# KiCad board ae89fa26-SparkFun_Thing_Plus_ESP32-S3_panelized.kicad_pcb (continued)
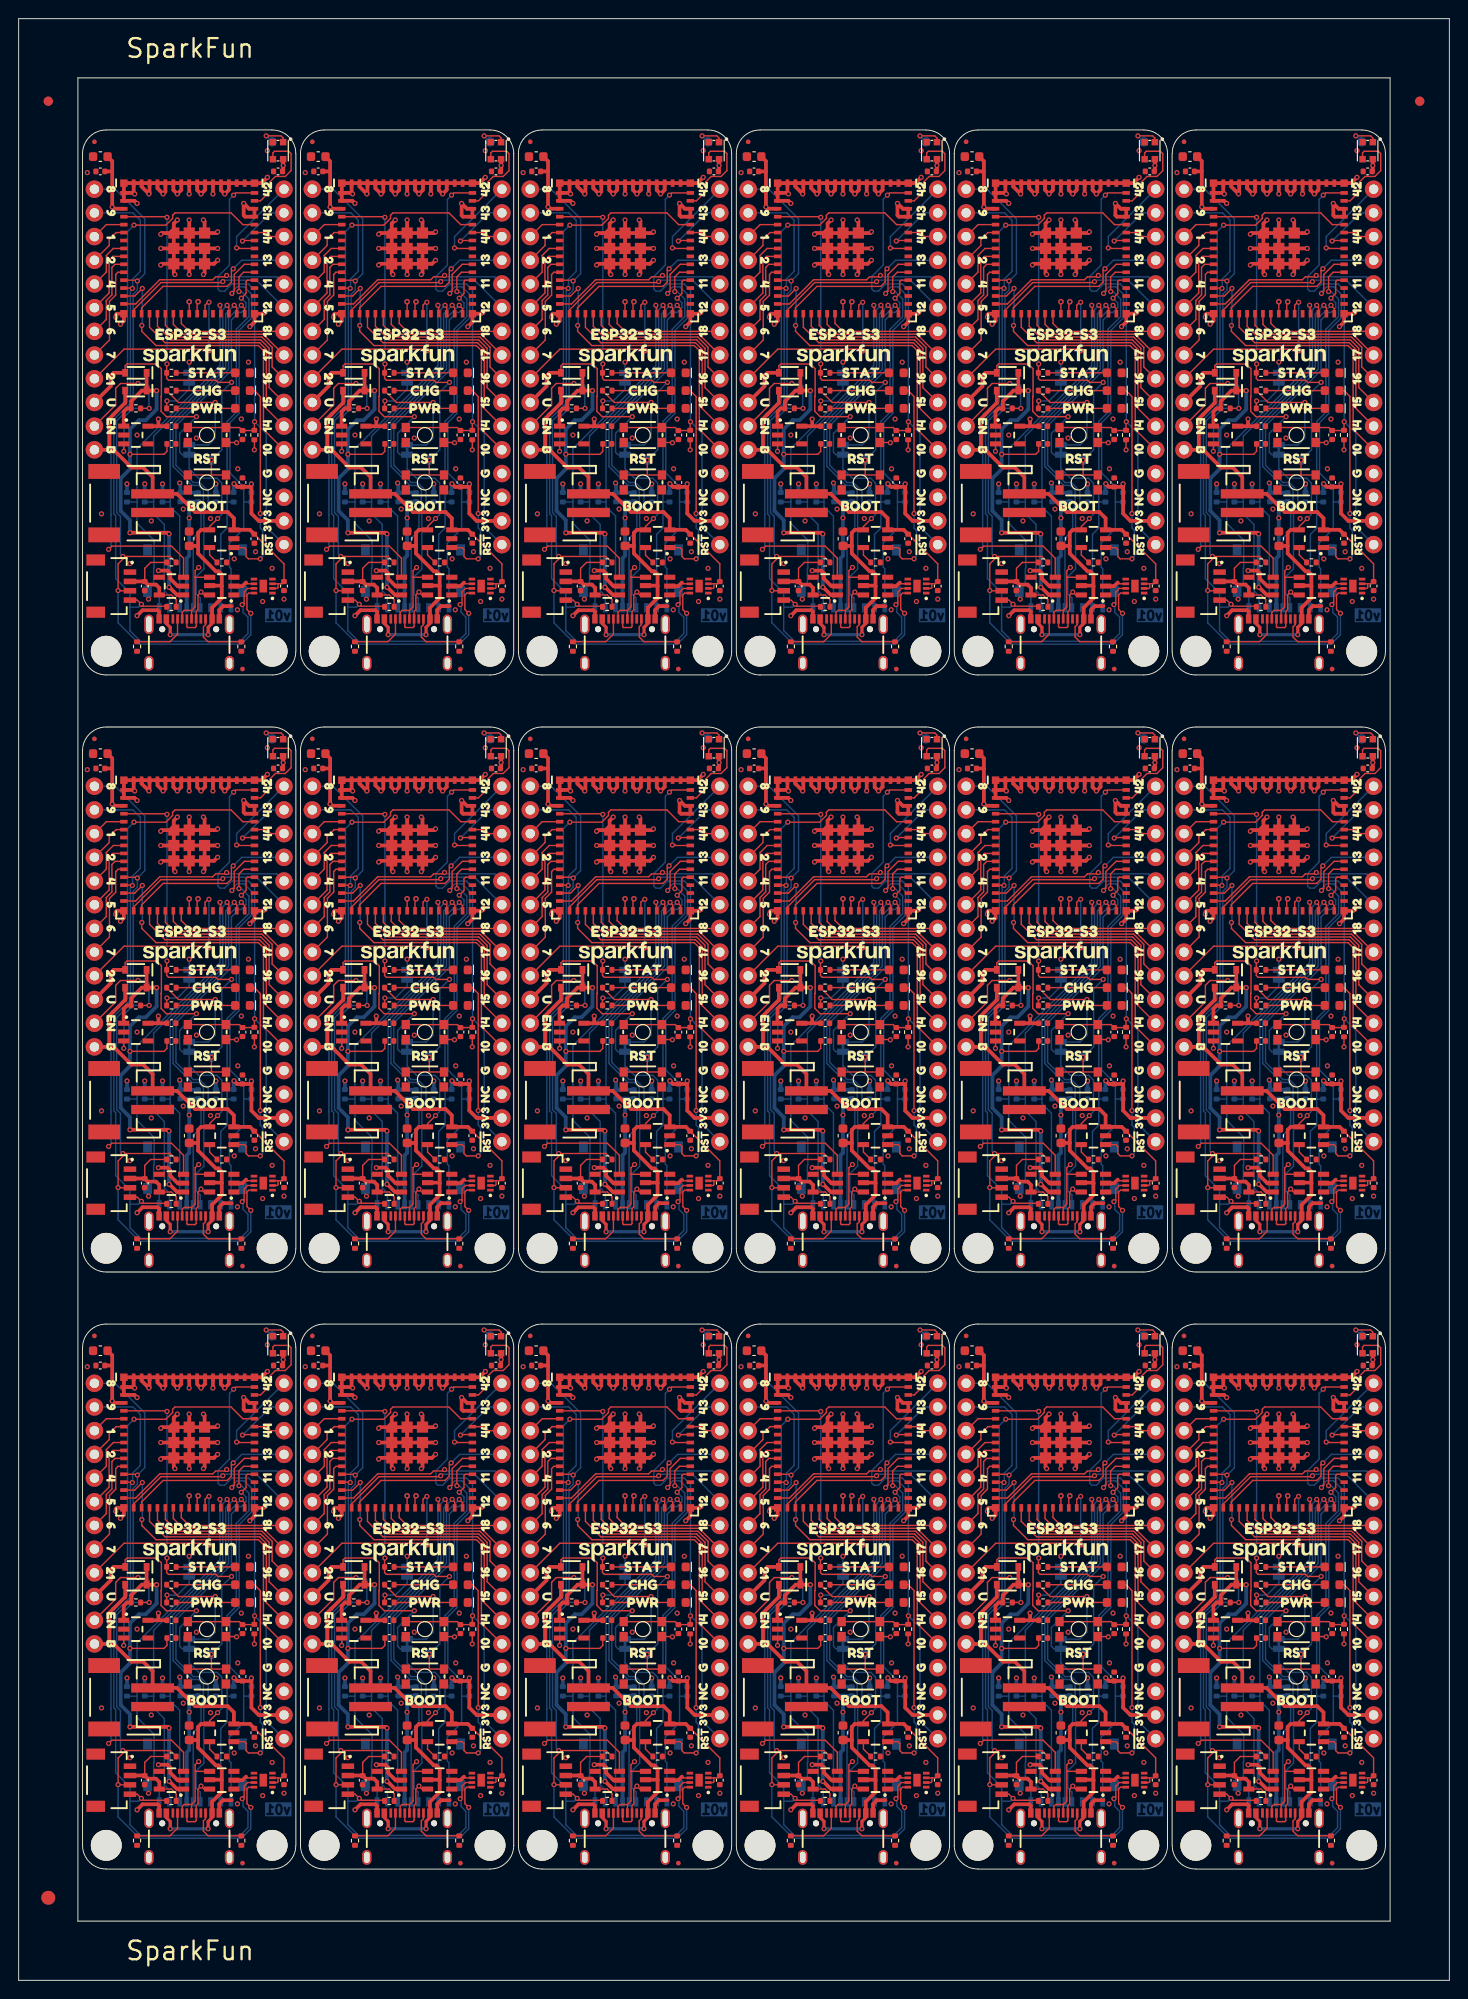
[diagram p0: board, top side]
## Routing (per net, layer and track width the routed paths; a pad name or vN(x,y) marks a point on that pad's centre or on a via; arc(x,y) is an arc through that point) (continued)
+5V: length 770.3
  Top w0.152: v1(58.65,99.58) 62.3,99.58 62.62,99.9 C10#16.1 ; v1(105.37,99.58) 109.02,99.58 109.34,99.9 C10#12.1 ; v1(82.01,99.58) 85.66,99.58 85.97,99.9 85.97,100.7 ; C10#18.1 15.89,35.9 15.58,35.58 v1(11.93,35.58) ; 132.69,164.7 132.69,163.9 132.38,163.58 v1(128.73,163.58) ; v1(82.01,35.58) 85.66,35.58 85.97,35.9 85.97,36.7 ; v1(58.65,35.58) 62.3,35.58 62.62,35.9 C10#5.1 ; v1(11.93,163.58) 15.58,163.58 15.89,163.9 C10#11.1 ; v1(58.65,163.58) 62.3,163.58 62.62,163.9 C10#2.1 ; v1(35.29,35.58) 38.94,35.58 39.25,35.9 39.25,36.7 ; v1(82.01,163.58) 85.66,163.58 85.97,163.9 85.97,164.7 ; v1(128.73,35.58) 132.38,35.58 132.69,35.9 132.69,36.7 ; v1(105.37,163.58) 109.02,163.58 109.34,163.9 C10#13.1 ; 39.25,100.7 39.25,99.9 38.94,99.58 v1(35.29,99.58) ; v1(11.93,99.58) 15.58,99.58 15.89,99.9 C10#4.1 ; C10#17.1 109.34,35.9 109.02,35.58 v1(105.37,35.58) ; 132.69,100.7 132.69,99.9 132.38,99.58 v1(128.73,99.58) ; v1(35.29,163.58) 38.94,163.58 39.25,163.9 39.25,164.7
  Top w0.406: U1#5.1 40.34,20.51 39.52,21.33 v1(39.48,21.33) ; v1(39.48,149.33) 39.52,149.33 40.34,148.51 U1#15.1 ; v1(105.37,91.17) 109.44,91.17 v1(109.56,91.04) ; 83.79,42.41 83.28,42.41 82.13,41.27 82.13,40.51 81.69,40.51 81.34,40.16 U6#6.1 ; 83.79,42.41 83.79,44.32 ; 83.79,42.41 v1(84.87,42.41) ; v1(35.29,155.17) 39.36,155.17 v1(39.48,155.04) ; D3#6.C 59.92,170.41 58.78,169.27 R13#9.1 58.33,168.51 57.98,168.16 U6#4.1 ; D3#6.C v1(61.51,170.41) ; D3#6.C D2#3.C ; U6#16.1 128.06,104.16 128.41,104.51 128.85,104.51 128.85,105.27 130,106.41 130.51,106.41 ; v1(16.12,91.04) 16,91.17 v1(11.93,91.17) ; v1(14.79,170.41) D3#4.C ; D3#4.C 13.2,170.41 12.06,169.27 R13#2.1 11.61,168.51 11.26,168.16 U6#9.1 ; D3#4.C D2#10.C ; U1#12.1 110.42,148.51 109.6,149.33 v1(109.56,149.33) ; U6#5.1 57.98,40.16 58.33,40.51 R13#6.1 58.78,41.27 59.92,42.41 D3#9.C ; v1(86.2,149.33) 86.24,149.33 87.06,148.51 U1#3.1 ; v1(58.65,27.17) 62.72,27.17 v1(62.84,27.04) ; U1#16.1 16.98,148.51 16.16,149.33 v1(16.12,149.33) ; v1(86.2,21.33) 86.24,21.33 87.06,20.51 U1#8.1 ; v1(128.73,155.17) 132.8,155.17 v1(132.92,155.04) ; v1(38.15,106.41) 37.07,106.41 ; 37.07,106.41 37.07,108.32 ; 37.07,106.41 36.56,106.41 35.41,105.27 35.41,104.51 34.97,104.51 34.62,104.16 U6#8.1 ; v1(84.87,170.41) 83.79,170.41 ; 83.79,170.41 83.79,172.32 ; 83.79,170.41 83.28,170.41 82.13,169.27 82.13,168.51 81.69,168.51 81.34,168.16 U6#12.1 ; U1#13.1 87.06,84.51 86.24,85.33 v1(86.2,85.33) ; v1(132.92,149.33) 132.96,149.33 133.78,148.51 U1#2.1 ; v1(39.48,91.04) 39.36,91.17 v1(35.29,91.17) ; U6#10.1 34.62,168.16 34.97,168.51 35.41,168.51 35.41,169.27 36.56,170.41 37.07,170.41 ; v1(131.59,42.41) 130.51,42.41 ; 130.51,42.41 130.51,44.32 ; 130.51,42.41 130,42.41 128.85,41.27 128.85,40.51 128.41,40.51 128.06,40.16 U6#17.1 ; v1(11.93,27.17) 16,27.17 v1(16.12,27.04) ; U6.1 128.06,168.16 128.41,168.51 128.85,168.51 128.85,169.27 130,170.41 130.51,170.41 ; v1(132.92,27.04) 132.8,27.17 v1(128.73,27.17) ; D3#12.C 106.64,170.41 105.5,169.27 R13#15.1 105.05,168.51 104.7,168.16 U6#15.1 ; D3#12.C D2#13.C ; D3#12.C v1(108.23,170.41) ; v1(38.15,42.41) 37.07,42.41 ; 37.07,42.41 36.56,42.41 35.41,41.27 35.41,40.51 34.97,40.51 34.62,40.16 U6#3.1 ; 37.07,42.41 37.07,44.32 ; 37.07,170.41 37.07,172.32 ; 37.07,170.41 v1(38.15,170.41) ; v1(14.79,42.41) D3#18.C ; D3#18.C D2#18.C ; D3#18.C 13.2,42.41 12.06,41.27 R13#18.1 11.61,40.51 11.26,40.16 U6#18.1 ; v1(62.84,91.04) 62.72,91.17 v1(58.65,91.17) ; D3#9.C v1(61.51,42.41) ; D3#9.C D2#4.C ; v1(131.59,106.41) 130.51,106.41 ; 130.51,106.41 130.51,108.32 ; v1(62.84,155.04) 62.72,155.17 v1(58.65,155.17) ; v1(39.48,27.04) 39.36,27.17 v1(35.29,27.17) ; v1(109.56,21.33) 109.6,21.33 110.42,20.51 U1#7.1 ; v1(39.48,85.33) 39.52,85.33 40.34,84.51 U1#14.1 ; 130.51,172.32 130.51,170.41 ; 130.51,170.41 v1(131.59,170.41) ; v1(62.84,85.33) 62.88,85.33 63.7,84.51 U1#6.1 ; v1(16.12,155.04) 16,155.17 v1(11.93,155.17) ; U1#17.1 133.78,84.51 132.96,85.33 v1(132.92,85.33) ; U6#2.1 81.34,104.16 81.69,104.51 82.13,104.51 82.13,105.27 83.28,106.41 83.79,106.41 ; 83.79,106.41 v1(84.87,106.41) ; 83.79,106.41 83.79,108.32 ; D3#16.C 106.64,106.41 105.5,105.27 R13#12.1 105.05,104.51 104.7,104.16 U6#14.1 ; D3#16.C D2#12.C ; D3#16.C v1(108.23,106.41) ; U6#13.1 104.7,40.16 105.05,40.51 R13#17.1 105.5,41.27 106.64,42.41 D3#17.C ; v1(82.01,155.17) 86.08,155.17 v1(86.2,155.04) ; v1(16.12,21.33) 16.16,21.33 16.98,20.51 U1#18.1 ; v1(62.84,149.33) 62.88,149.33 63.7,148.51 U1#10.1 ; U1.1 16.98,84.51 16.16,85.33 v1(16.12,85.33) ; U6#11.1 57.98,104.16 58.33,104.51 R13#7.1 58.78,105.27 59.92,106.41 D3#10.C ; D2#7.C D3.C ; D3.C 13.2,106.41 12.06,105.27 R13.1 11.61,104.51 11.26,104.16 U6#7.1 ; D3.C v1(14.79,106.41) ; v1(105.37,155.17) 109.44,155.17 v1(109.56,155.04) ; D3#10.C D2#2.C ; D3#10.C v1(61.51,106.41) ; v1(82.01,91.17) 86.08,91.17 v1(86.2,91.04) ; v1(108.23,42.41) D3#17.C ; D3#17.C D2#5.C ; v1(132.92,21.33) 132.96,21.33 133.78,20.51 U1#9.1 ; U1#11.1 63.7,20.51 62.88,21.33 v1(62.84,21.33) ; v1(105.37,27.17) 109.44,27.17 v1(109.56,27.04) ; v1(109.56,85.33) 109.6,85.33 110.42,84.51 U1#4.1 ; v1(82.01,27.17) 86.08,27.17 v1(86.2,27.04) ; v1(132.92,91.04) 132.8,91.17 v1(128.73,91.17)
  Bottom w0.406: v1(11.93,27.17) 11.93,28.52 10.94,29.51 10.94,33 11.93,34 v1(11.93,35.58) 11.93,38.28 12.88,39.24 13.62,39.24 14.79,40.4 v1(14.79,42.41) ; v1(39.48,27.04) v1(39.48,21.33) ; v1(132.92,155.04) v1(132.92,149.33) ; v1(128.73,27.17) 128.73,28.52 127.74,29.51 127.74,33 128.73,34 v1(128.73,35.58) 128.73,38.28 129.68,39.24 130.42,39.24 131.59,40.4 v1(131.59,42.41) ; v1(132.92,27.04) v1(132.92,21.33) ; v1(84.87,42.41) 84.87,40.4 83.7,39.24 82.96,39.24 82.01,38.28 v1(82.01,35.58) 82.01,34 81.02,33 81.02,29.51 82.01,28.52 v1(82.01,27.17) ; v1(35.29,91.17) 35.29,92.52 34.3,93.51 34.3,97 35.29,98 v1(35.29,99.58) 35.29,102.28 36.24,103.24 36.98,103.24 38.15,104.4 v1(38.15,106.41) ; v1(16.12,155.04) v1(16.12,149.33) ; v1(14.79,106.41) 14.79,104.4 13.62,103.24 12.88,103.24 11.93,102.28 v1(11.93,99.58) 11.93,98 10.94,97 10.94,93.51 11.93,92.52 v1(11.93,91.17) ; v1(84.87,106.41) 84.87,104.4 83.7,103.24 82.96,103.24 82.01,102.28 v1(82.01,99.58) 82.01,98 81.02,97 81.02,93.51 82.01,92.52 v1(82.01,91.17) ; v1(61.51,42.41) 61.51,40.4 60.34,39.24 59.6,39.24 58.65,38.28 v1(58.65,35.58) 58.65,34 57.66,33 57.66,29.51 58.65,28.52 v1(58.65,27.17) ; v1(105.37,155.17) 105.37,156.52 104.38,157.51 104.38,161 105.37,162 v1(105.37,163.58) 105.37,166.28 106.32,167.24 107.06,167.24 108.23,168.4 v1(108.23,170.41) ; v1(82.01,155.17) 82.01,156.52 81.02,157.51 81.02,161 82.01,162 v1(82.01,163.58) 82.01,166.28 82.96,167.24 83.7,167.24 84.87,168.4 v1(84.87,170.41) ; v1(14.79,170.41) 14.79,168.4 13.62,167.24 12.88,167.24 11.93,166.28 v1(11.93,163.58) 11.93,162 10.94,161 10.94,157.51 11.93,156.52 v1(11.93,155.17) ; v1(105.37,91.17) 105.37,92.52 104.38,93.51 104.38,97 105.37,98 v1(105.37,99.58) 105.37,102.28 106.32,103.24 107.06,103.24 108.23,104.4 v1(108.23,106.41) ; v1(16.12,91.04) v1(16.12,85.33) ; v1(128.73,155.17) 128.73,156.52 127.74,157.51 127.74,161 128.73,162 v1(128.73,163.58) 128.73,166.28 129.68,167.24 130.42,167.24 131.59,168.4 v1(131.59,170.41) ; v1(38.15,42.41) 38.15,40.4 36.98,39.24 36.24,39.24 35.29,38.28 v1(35.29,35.58) 35.29,34 34.3,33 34.3,29.51 35.29,28.52 v1(35.29,27.17) ; v1(109.56,155.04) v1(109.56,149.33) ; v1(128.73,91.17) 128.73,92.52 127.74,93.51 127.74,97 128.73,98 v1(128.73,99.58) 128.73,102.28 129.68,103.24 130.42,103.24 131.59,104.4 v1(131.59,106.41) ; v1(109.56,27.04) v1(109.56,21.33) ; v1(61.51,170.41) 61.51,168.4 60.34,167.24 59.6,167.24 58.65,166.28 v1(58.65,163.58) 58.65,162 57.66,161 57.66,157.51 58.65,156.52 v1(58.65,155.17) ; v1(62.84,27.04) v1(62.84,21.33) ; v1(86.2,155.04) v1(86.2,149.33) ; v1(105.37,27.17) 105.37,28.52 104.38,29.51 104.38,33 105.37,34 v1(105.37,35.58) 105.37,38.28 106.32,39.24 107.06,39.24 108.23,40.4 v1(108.23,42.41) ; v1(132.92,91.04) v1(132.92,85.33) ; v1(38.15,170.41) 38.15,168.4 36.98,167.24 36.24,167.24 35.29,166.28 v1(35.29,163.58) 35.29,162 34.3,161 34.3,157.51 35.29,156.52 v1(35.29,155.17) ; v1(62.84,91.04) v1(62.84,85.33) ; v1(58.65,91.17) 58.65,92.52 57.66,93.51 57.66,97 58.65,98 v1(58.65,99.58) 58.65,102.28 59.6,103.24 60.34,103.24 61.51,104.4 v1(61.51,106.41) ; v1(109.56,91.04) v1(109.56,85.33) ; v1(86.2,91.04) v1(86.2,85.33) ; v1(39.48,155.04) v1(39.48,149.33) ; v1(86.2,27.04) v1(86.2,21.33) ; v1(16.12,27.04) v1(16.12,21.33) ; v1(62.84,155.04) v1(62.84,149.33) ; v1(39.48,91.04) v1(39.48,85.33)
GND: length 1756.5
  Top w0.152: 117.82,149.84 117.95,149.71 U4#11.6 ; SW2#7.2 93.41,100.85 v1(93.44,100.82) ; U4#17.6 94.59,149.71 94.46,149.84 ; SW2#17.2 116.77,164.85 v1(116.8,164.82) ; U4.6 47.87,85.71 47.74,85.84 ; v1(116.8,100.82) 116.77,100.85 SW2#16.2 ; SW2#5.2 46.69,36.85 v1(46.72,36.82) ; v1(23.36,36.82) 23.33,36.85 SW2#18.2 ; SW2#12.2 116.77,36.85 v1(116.8,36.82) ; v1(46.72,164.82) 46.69,164.85 SW2#8.2 ; v1(23.36,100.82) 23.33,100.85 SW2#4.2 ; U4#7.6 141.31,21.71 141.18,21.84 ; U4#18.6 94.59,85.71 94.46,85.84 ; U4#3.6 24.51,149.71 24.38,149.84 ; U4#15.6 141.31,85.71 141.18,85.84 ; 139.03,100.85 140.13,100.85 v1(140.16,100.82) ; U4#8.6 94.59,21.71 94.46,21.84 ; U4#14.6 117.95,21.71 117.82,21.84 ; SW2#9.2 70.05,36.85 v1(70.08,36.82) ; v1(23.36,164.82) 23.33,164.85 SW2.2 ; 47.74,21.84 47.87,21.71 U4#5.6 ; v1(70.08,164.82) 70.05,164.85 SW2#2.2 ; U4#6.6 47.87,149.71 47.74,149.84 ; U4#12.6 71.23,85.71 71.1,85.84 ; v1(140.16,36.82) 140.13,36.85 139.03,36.85 ; 71.1,21.84 71.23,21.71 U4#13.6 ; SW2#6.2 93.41,36.85 v1(93.44,36.82) ; U4#2.6 24.51,21.71 24.38,21.84 ; v1(140.16,164.82) 140.13,164.85 139.03,164.85 ; U4#16.6 71.23,149.71 71.1,149.84 ; v1(70.08,100.82) 70.05,100.85 SW2#10.2 ; SW2#3.2 93.41,164.85 v1(93.44,164.82) ; 24.38,85.84 24.51,85.71 U4#4.6 ; SW2#11.2 46.69,100.85 v1(46.72,100.82) ; U4#10.6 141.31,149.71 141.18,149.84 ; U4#9.6 117.95,85.71 117.82,85.84
  Top w0.406: U3#4.61 v1(18.28,124.7) ; U3#4.61 U3#4.61 ; U3#4.61 U3#4.61 ; U3#4.61 U3#4.61 ; v1(57.63,177.52) 58,177.89 U3#7.63 57.24,178.65 57.13,178.54 ; v1(59.41,126.48) 59.14,126.75 U3#8.2 U3#8.1 ; U3#10.1 82.41,191.6 ; U3#10.1 U3#10.2 82.5,190.75 v1(82.77,190.48) ; U3#10.1 U3#10.62 U3#10.60 ; 82.41,191.6 U3#10.60 ; 82.41,191.6 v1(82.52,191.49) ; U3#18.61 U3#18.61 ; U3#18.61 U3#18.61 ; U3#18.61 U3#18.61 ; U3#18.61 v1(18.28,54.86) ; U3#18.61 20.94,56 21.32,56.38 ; U3#18.61 U3#18.61 ; U3#18.61 19.93,54.99 19.8,54.86 ; U3#2.55 39.94,63.92 v1(40.37,63.49) 40.79,63.91 U3#2.54 ; U3#2.55 U3#2.56 ; U3#2.55 U3#2.54 ; U3#7.48 69.25,191.93 v1(68.81,191.49) 68.4,191.9 U3#7.49 ; U3#7.48 U3#7.49 ; U3#7.48 U3#7.47 U3#7.46 U3#7.65 72.76,192.65 v1(73.38,193.27) ; 114.76,56.38 114.38,56 U3#14.61 ; U3#14.51 113.42,63.92 v1(112.99,63.49) 112.57,63.91 U3#14.52 ; U3#14.51 U3#14.52 ; U3#14.51 U3#14.50 ; U3#3.48 22.53,191.93 v1(22.09,191.49) 21.68,191.9 U3#3.49 ; U3#3.48 U3#3.47 U3#3.46 U3#3.65 26.04,192.65 v1(26.66,193.27) ; U3#3.48 U3#3.49 ; v1(133.56,54.86) 133.43,54.98 U3#16.61 ; U3#15.50 U3#15.51 ; U3#15.50 90.91,127.5 v1(90.9,127.49) ; U3#15.50 U3#15.49 ; U3#15.51 U3#15.52 ; U3#15.51 90.06,127.92 v1(89.63,127.49) 89.21,127.91 U3#15.52 ; v1(138.13,59.43) 138,59.3 U3#16.61 ; 47.74,85.84 47.35,85.46 U2#16.2 ; U3#16.60 U3#16.62 U3#16.1 ; U3#16.60 U3#16.59 ; U3#16.60 129.13,63.6 ; U3#13.61 v1(135.08,188.7) ; U3#13.61 U3#13.61 ; U3#13.61 U3#13.61 ; U3#13.61 U3#13.61 ; U3#18.52 U3#18.53 ; U3#18.52 19.13,63.91 v1(19.55,63.49) 19.98,63.92 U3#18.51 ; U3#18.52 U3#18.51 ; U3#18.53 U3#18.54 ; U3#18.53 v1(18.28,63.49) ; U3.61 U3.61 ; U3.61 U3.61 ; U3.61 U3.61 ; U3.61 U3.61 ; U3.61 v1(41.64,188.7) ; U3.61 U3.61 ; U3.61 U3.61 ; U3#4.61 v1(21.33,121.65) ; U3#4.61 U3#4.61 ; U3#4.61 U3#4.61 ; U3#16.48 U3#16.49 ; U3#16.48 139.33,63.93 v1(138.89,63.49) 138.48,63.9 U3#16.49 ; U3#16.48 U3#16.47 U3#16.46 U3#16.65 142.84,64.65 v1(143.46,65.27) ; U3#16.49 U3#16.50 ; U3#7.61 67.66,184 68.04,184.38 ; U3#7.61 U3#7.61 ; U3#7.61 66.65,182.99 66.52,182.86 ; U3#7.61 U3#7.61 ; U3#6.50 114.27,191.5 v1(114.26,191.49) ; U3#6.50 U3#6.51 ; U3#6.50 U3#6.49 ; v1(143.46,129.27) 142.84,128.65 U3#12.65 U3#12.46 U3#12.47 U3#12.48 ; U1#6.2 63.76,85.46 62.97,86.25 62.97,86.82 62.67,87.11 v1(61.7,87.11) ; v1(59.41,190.48) 59.14,190.75 U3#7.2 U3#7.1 ; U3#12.58 U3#12.59 ; U3#12.58 U3#12.57 ; U3#12.58 130.83,127.56 v1(130.76,127.49) 129.98,128.27 U3#12.59 ; U3#12.59 U3#12.60 ; v1(108.42,87.11) 109.39,87.11 109.69,86.82 109.69,86.25 110.48,85.46 U1#4.2 ; U3#11.1 82.41,63.6 ; U3#11.1 U3#11.62 U3#11.60 ; U3#11.1 U3#11.2 82.5,62.75 v1(82.77,62.48) ; 82.41,63.6 v1(82.52,63.49) ; 82.41,63.6 U3#11.60 ; U3#4.61 U3#4.61 ; U3#4.61 U3#4.61 ; U3#4.61 v1(15.23,121.65) ; U3#4.61 U3#4.61 ; U3#4.61 U3#4.61 ; U3#10.57 84.96,192.1 v1(85.57,191.49) 85.81,191.74 U3#10.56 ; U3#10.57 U3#10.58 ; U3#10.57 U3#10.56 ; U3#14.58 107.47,63.56 v1(107.4,63.49) 106.62,64.27 U3#14.59 ; U3#14.58 U3#14.57 ; U3#14.58 U3#14.59 ; U3#4.50 20.83,127.5 v1(20.82,127.49) ; U3#4.50 U3#4.49 ; U3#4.50 U3#4.51 ; U3#18.61 U3#18.61 ; U3#18.61 U3#18.61 ; U3#18.61 U3#18.61 ; U3#18.61 v1(18.28,60.7) ; U3#18.61 21.2,59.3 v1(21.33,59.43) ; U3#18.61 19.93,60.57 v1(19.8,60.7) ; U3#10.51 U3#10.52 ; U3#10.51 90.06,191.92 v1(89.63,191.49) 89.21,191.91 U3#10.52 ; U3#10.51 U3#10.50 ; U3#10.52 U3#10.53 ; U3#17.58 60.75,63.56 v1(60.68,63.49) 59.9,64.27 U3#17.59 ; U3#17.58 U3#17.59 ; U3#17.58 U3#17.57 ; U3#11.61 86.71,60.32 v1(87.09,60.7) ; U3#11.61 U3#11.61 ; U3#11.61 85.44,59.3 v1(85.31,59.17) ; U3#11.61 U3#11.61 ; U3#15.52 U3#15.53 ; U3#12.56 132.53,127.74 v1(132.29,127.49) 131.68,128.1 U3#12.57 ; U3#12.56 U3#12.55 ; U3#12.56 U3#12.57 ; U3#14.57 U3#14.56 ; U3#14.57 108.32,64.1 v1(108.93,63.49) 109.17,63.74 U3#14.56 ; U3#15.57 84.96,128.1 v1(85.57,127.49) 85.81,127.74 U3#15.56 ; U3#15.57 U3#15.58 ; U3#15.57 U3#15.56 ; U3#5.57 U3#5.58 ; U3#5.57 U3#5.56 ; U3#5.57 38.24,128.1 v1(38.85,127.49) 39.09,127.74 U3#5.56 ; U3#5.58 U3#5.59 ; U3#5.58 37.39,127.56 v1(37.32,127.49) 36.54,128.27 U3#5.59 ; U1#18.2 17.04,21.46 16.25,22.25 16.25,22.82 15.95,23.11 v1(14.98,23.11) ; U3.61 U3.61 ; U3.61 v1(38.59,185.65) ; U3.61 U3.61 ; U3.61 U3.61 ; U3.61 39.99,182.98 v1(40.12,182.86) ; U3.61 38.72,184 v1(38.59,183.87) ; U3#4.61 15.36,123.3 v1(15.23,123.17) ; U3#4.61 16.63,124.32 v1(17.01,124.7) ; 35.69,191.6 v1(35.8,191.49) ; 35.69,191.6 U3.1 ; 35.69,191.6 U3.60 ; U3#13.57 131.68,192.1 v1(132.29,191.49) 132.53,191.74 U3#13.56 ; U3#13.57 U3#13.58 ; U3#13.57 U3#13.56 ; U3#6.54 U3#6.53 ; U3#6.54 110.87,191.91 v1(110.45,191.49) 110.02,191.92 U3#6.55 ; U3#6.54 U3#6.55 ; U3#6.53 v1(111.72,191.49) ; U3#6.53 U3#6.52 ; U3#6.55 U3#6.56 ; U3#14.48 U3#14.47 U3#14.46 U3#14.65 119.48,64.65 v1(120.1,65.27) ; U3#14.48 U3#14.49 ; U3#14.48 115.97,63.93 v1(115.53,63.49) 115.12,63.9 U3#14.49 ; U3#2.56 39.09,63.74 v1(38.85,63.49) 38.24,64.1 U3#2.57 ; U3#2.56 U3#2.57 ; v1(50.02,65.27) 49.4,64.65 U3#2.65 U3#2.46 U3#2.47 U3#2.48 ; U3#3.61 v1(18.28,188.7) ; U3#3.61 U3#3.61 ; U3#3.61 U3#3.61 ; U3#3.61 U3#3.61 ; U3#10.48 92.61,191.93 v1(92.17,191.49) 91.76,191.9 U3#10.49 ; U3#10.48 U3#10.49 ; U3#10.48 U3#10.47 U3#10.46 U3#10.65 96.12,192.65 v1(96.74,193.27) ; v1(129.49,18.28) 130.08,18.87 131.7,18.87 131.85,18.71 131.85,17.94 ; 116.27,19.31 115.36,19.31 114.94,18.9 J1#6.GND ; U3#10.61 U3#10.61 ; U3#10.61 U3#10.61 ; U3#10.61 U3#10.61 ; U3#10.61 v1(88.36,182.86) ; U3#10.61 U3#10.61 ; U3#10.61 90.01,182.99 89.88,182.86 ; U3#10.61 91.02,184 91.4,184.38 ; U3#13.61 U3#13.61 ; U3#13.61 v1(135.08,182.86) ; U3#13.61 U3#13.61 ; U3#13.61 U3#13.61 ; U3#13.61 137.74,184 138.12,184.38 ; U3#13.61 U3#13.61 ; U3#13.61 136.73,182.99 136.6,182.86 ; J1#4.GND 91.59,18.9 92,19.31 92.91,19.31 ; U3#18.54 U3#18.55 ; U3#18.54 17.43,63.91 v1(17.01,63.49) 16.58,63.92 U3#18.55 ; U3#8.61 62.08,120 v1(61.95,119.87) ; U3#8.61 U3#8.61 ; U3#8.61 U3#8.61 ; U3#8.61 63.35,118.98 v1(63.48,118.86) ; v1(136.6,188.7) 136.73,188.57 U3#13.61 ; v1(90.9,63.49) 90.91,63.5 U3#11.50 ; U3#6.51 U3#6.52 ; U3#6.51 113.42,191.92 v1(112.99,191.49) 112.57,191.91 U3#6.52 ; U3#15.54 87.51,127.91 v1(87.09,127.49) 86.66,127.92 U3#15.55 ; U3#15.54 U3#15.53 ; U3#15.54 U3#15.55 ; U3#15.61 U3#15.61 ; U3#15.61 86.71,124.32 v1(87.09,124.7) ; U3#15.61 U3#15.61 ; U3#15.61 85.44,123.3 v1(85.31,123.17) ; U3#15.61 U3#15.61 ; U3#15.61 v1(85.31,121.65) ; U3#15.61 U3#15.61 ; v1(108.67,183.87) 108.8,184 U3#6.61 ; U3.48 U3.49 ; U3.48 45.89,191.93 v1(45.45,191.49) 45.04,191.9 U3.49 ; U3.48 U3.47 U3.46 U3.65 49.4,192.65 v1(50.02,193.27) ; U3.49 U3.50 ; U3#10.61 U3#10.61 ; U3#10.61 U3#10.61 ; U3#10.61 U3#10.61 ; U3#10.61 U3#10.61 ; U3#10.61 U3#10.61 ; U3#10.61 v1(88.36,188.7) ; U3#4.61 U3#4.61 ; U3#4.61 15.36,120 v1(15.23,119.87) ; U3#4.61 16.63,118.98 v1(16.76,118.86) ; U3#4.61 v1(18.28,118.86) ; U3#4.61 U3#4.61 ; U3#8.57 U3#8.58 ; U3#8.57 61.6,128.1 v1(62.21,127.49) 62.45,127.74 U3#8.56 ; U3#8.57 U3#8.56 ; U3#8.58 U3#8.59 ; U3#8.58 60.75,127.56 v1(60.68,127.49) 59.9,128.27 U3#8.59 ; U3#18.61 v1(15.23,57.65) ; U3#18.61 U3#18.61 ; U3#18.61 U3#18.61 ; U3#18.61 U3#18.61 ; U3#9.1 U3#9.62 U3#9.60 ; U3#9.1 105.77,127.6 ; U3#9.1 U3#9.2 105.86,126.75 v1(106.13,126.48) ; v1(36.05,82.28) 36.64,82.87 38.26,82.87 38.41,82.71 J1#3.GND ; U3#9.59 106.62,128.27 v1(107.4,127.49) 107.47,127.56 U3#9.58 ; U3#9.59 U3#9.58 ; U3#9.59 U3#9.60 ; U3#4.52 U3#4.53 ; U3#4.52 19.13,127.91 v1(19.55,127.49) 19.98,127.92 U3#4.51 ; U3#4.52 U3#4.51 ; U3#4.53 U3#4.54 ; U3#4.53 v1(18.28,127.49) ; U3#2.61 43.29,60.57 v1(43.16,60.7) ; U3#2.61 U3#2.61 ; U3#2.61 44.56,59.3 v1(44.69,59.43) ; U3#18.60 U3#18.62 U3#18.1 ; U3#18.60 12.33,63.6 ; U3#18.60 U3#18.59 ; v1(85.31,55.87) 85.44,56 U3#11.61 ; U3#5.49 U3#5.50 ; U3#5.49 45.04,127.9 v1(45.45,127.49) 45.89,127.93 U3#5.48 ; U3#5.49 U3#5.48 ; U3#5.50 U3#5.51 ; U3#5.50 44.19,127.5 v1(44.18,127.49) ; 105.77,63.6 v1(105.88,63.49) ; 105.77,63.6 U3#14.60 ; 105.77,63.6 U3#14.1 ; U3#14.55 U3#14.54 ; U3#14.55 U3#14.56 ; U3#14.55 110.02,63.92 v1(110.45,63.49) 110.87,63.91 U3#14.54 ; U3#14.54 U3#14.53 ; 69.55,147.31 68.64,147.31 68.22,146.9 J1#13.GND ; v1(110.45,60.7) 110.07,60.32 U3#14.61 ; U3#8.60 U3#8.62 U3#8.1 ; U3#8.60 U3#8.59 ; U3#8.60 59.05,127.6 ; U3#5.61 U3#5.61 ; U3#5.61 U3#5.61 ; U3#5.61 U3#5.61 ; U3#5.61 U3#5.61 ; U3#5.61 U3#5.61 ; U3#5.61 U3#5.61 ; U3#5.61 v1(41.64,124.7) ; U3#8.61 v1(65,118.86) ; U3#8.61 U3#8.61 ; U3#8.61 U3#8.61 ; v1(131.78,151.11) 132.75,151.11 133.05,150.82 133.05,150.25 133.84,149.46 U1#2.2 ; U3#15.1 U3#15.2 82.5,126.75 v1(82.77,126.48) ; U3#15.1 U3#15.62 U3#15.60 ; U3#15.1 82.41,127.6 ; U3#15.61 U3#15.61 ; U3#15.61 U3#15.61 ; U3#15.61 U3#15.61 ; U3#15.61 v1(88.36,118.86) ; U3#15.61 91.02,120 91.4,120.38 ; U3#15.61 U3#15.61 ; U3#15.61 90.01,118.99 89.88,118.86 ; U3#4.55 16.58,127.92 v1(17.01,127.49) 17.43,127.91 U3#4.54 ; U3#4.55 U3#4.54 ; U3#4.55 U3#4.56 ; v1(44.69,187.43) 44.56,187.3 U3.61 ; U3#14.61 U3#14.61 ; U3#14.61 108.8,59.3 v1(108.67,59.17) ; U3#14.61 U3#14.61 ; U3#14.61 U3#14.61 ; U3#14.61 U3#14.61 ; U3#14.61 v1(108.67,57.65) ; U3.61 U3.61 ; U3.61 v1(41.64,182.86) ; U3#3.54 U3#3.53 ; U3#3.54 17.43,191.91 v1(17.01,191.49) 16.58,191.92 U3#3.55 ; U3#3.54 U3#3.55 ; U3#3.53 v1(18.28,191.49) ; U3#3.53 U3#3.52 ; v1(34.27,177.52) 34.64,177.89 U3.63 33.88,178.65 33.77,178.54 ; U3#13.50 U3#13.51 ; U3#13.50 U3#13.49 ; U3#13.50 137.63,191.5 v1(137.62,191.49) ; U3#13.51 U3#13.52 ; U3#13.51 136.78,191.92 v1(136.35,191.49) 135.93,191.91 U3#13.52 ; v1(104.35,49.52) 104.72,49.89 U3#14.63 103.96,50.65 103.85,50.54 ; U3#10.54 87.51,191.91 v1(87.09,191.49) 86.66,191.92 U3#10.55 ; U3#10.54 U3#10.53 ; U3#10.54 U3#10.55 ; U3#15.48 U3#15.47 U3#15.46 U3#15.65 96.12,128.65 v1(96.74,129.27) ; U3#15.48 92.61,127.93 v1(92.17,127.49) 91.76,127.9 U3#15.49 ; U3#15.48 U3#15.49 ; J1#16.GND 38.41,18.71 38.26,18.87 36.64,18.87 v1(36.05,18.28) ; U3.55 U3.56 ; U3.55 39.94,191.92 v1(40.37,191.49) 40.79,191.91 U3.54 ; U3.55 U3.54 ; U3.56 U3.57 ; U3.56 39.09,191.74 v1(38.85,191.49) 38.24,192.1 U3.57 ; U3#5.61 43.29,124.57 v1(43.16,124.7) ; U3#5.61 44.56,123.3 v1(44.69,123.43) ; U2#13.2 117.44,149.46 117.82,149.84 ; v1(44.18,191.49) 44.19,191.5 U3.50 ; 33.77,114.54 33.88,114.65 U3#5.63 34.64,113.89 v1(34.27,113.52) ; U3#2.51 43.34,63.92 v1(42.91,63.49) 42.49,63.91 U3#2.52 ; U3#2.51 U3#2.50 ; U3#2.51 U3#2.52 ; v1(73.13,50.79) 72.99,50.65 U3#17.64 72,49.77 v1(71.5,49.27) ; U3#11.55 U3#11.54 ; U3#11.55 U3#11.56 ; U3#11.55 86.66,63.92 v1(87.09,63.49) 87.51,63.91 U3#11.54 ; U3#11.54 U3#11.53 ; U3#16.57 131.68,64.1 v1(132.29,63.49) 132.53,63.74 U3#16.56 ; U3#16.57 U3#16.58 ; U3#16.57 U3#16.56 ; v1(49.77,178.79) 49.63,178.65 U3.64 48.64,177.77 v1(48.14,177.27) ; U3#4.60 12.33,127.6 ; U3#4.60 U3#4.59 ; U3#4.60 U3#4.62 U3#4.1 ; 12.33,127.6 U3#4.1 ; 12.33,127.6 v1(12.44,127.49) ; U3#8.61 v1(65,124.7) ; U3#8.61 U3#8.61 ; U3#8.61 U3#8.61 ; U3#8.61 U3#8.61 ; U3#15.61 U3#15.61 ; U3#15.61 U3#15.61 ; U3#15.61 v1(88.36,124.7) ; U3#15.61 U3#15.61 ; U3.57 U3.58 ; U3#9.56 109.17,127.74 v1(108.93,127.49) 108.32,128.1 U3#9.57 ; U3#9.56 U3#9.55 ; U3#9.56 U3#9.57 ; 138.12,120.38 137.74,120 U3#12.61 ; U3#2.61 v1(41.64,54.86) ; U3#2.61 U3#2.61 ; U3#2.61 U3#2.61 ; U3#2.61 U3#2.61 ; 24.38,149.84 24,149.46 U2#3.2 ; 127.21,50.54 127.32,50.65 U3#16.63 128.08,49.89 v1(127.71,49.52) ; U3#7.49 U3#7.50 ; U3#13.61 v1(132.03,185.65) ; U3#13.61 U3#13.61 ; U3#13.61 U3#13.61 ; U3#13.61 U3#13.61 ; U3#9.58 U3#9.57 ; U3#16.61 132.16,56 v1(132.03,55.87) ; U3#16.61 U3#16.61 ; U3#16.61 U3#16.61 ; U3#17.48 U3#17.49 ; U3#17.48 U3#17.47 U3#17.46 U3#17.65 72.76,64.65 v1(73.38,65.27) ; U3#17.48 69.25,63.93 v1(68.81,63.49) 68.4,63.9 U3#17.49 ; U3#17.49 U3#17.50 ; U3#10.53 v1(88.36,191.49) ; U3#12.61 U3#12.61 ; U3#12.61 U3#12.61 ; U3#12.61 v1(135.08,124.7) ; U3#12.61 U3#12.61 ; U3#12.61 138,123.3 v1(138.13,123.43) ; U3#12.61 136.73,124.57 v1(136.6,124.7) ; U3#9.61 U3#9.61 ; U3#9.61 v1(108.67,121.65) ; U3#9.61 U3#9.61 ; U3#9.61 U3#9.61 ; U3#9.61 U3#9.61 ; U3#9.61 U3#9.61 ; U3#9.61 U3#9.61 ; U3#2.48 45.89,63.93 v1(45.45,63.49) 45.04,63.9 U3#2.49 ; U3#2.48 U3#2.49 ; U3#8.55 U3#8.56 ; U3#8.55 U3#8.54 ; U3#8.55 63.3,127.92 v1(63.73,127.49) 64.15,127.91 U3#8.54 ; 82.41,127.6 v1(82.52,127.49) ; 82.41,127.6 U3#15.60 ; U3#2.61 U3#2.61 ; U3#2.61 U3#2.61 ; U3#2.61 U3#2.61 ; U3#2.61 U3#2.61 ; U3#2.61 v1(41.64,60.7) ; U2#12.2 47.35,149.46 47.74,149.84 ; U3#14.61 U3#14.61 ; U3#14.61 113.37,54.99 113.24,54.86 ; U3#14.61 U3#14.61 ; v1(17.01,60.7) 16.63,60.32 U3#18.61 ; 139.63,19.31 138.72,19.31 138.31,18.9 J1#9.GND ; U3#15.56 U3#15.55 ; J1#2.GND 61.78,18.71 61.62,18.87 60,18.87 v1(59.41,18.28) ; U3#7.56 62.45,191.74 v1(62.21,191.49) 61.6,192.1 U3#7.57 ; U3#7.56 U3#7.55 ; U3#7.56 U3#7.57 ; v1(131.78,87.11) 132.75,87.11 133.05,86.82 133.05,86.25 133.84,85.46 U1#17.2 ; U3#11.61 86.71,54.98 v1(86.84,54.86) ; U3#11.61 U3#11.61 ; U3#11.61 U3#11.61 ; U3#10.61 86.71,182.98 v1(86.84,182.86) ; U3#10.61 85.44,184 v1(85.31,183.87) ; U3#10.61 U3#10.61 ; U3#6.48 115.97,191.93 v1(115.53,191.49) 115.12,191.9 U3#6.49 ; U3#6.48 U3#6.47 U3#6.46 U3#6.65 119.48,192.65 v1(120.1,193.27) ; U3#6.48 U3#6.49 ; 59.05,127.6 v1(59.16,127.49) ; 59.05,127.6 U3#8.1 ; U3#6.61 108.8,187.3 v1(108.67,187.17) ; U3#6.61 110.07,188.32 v1(110.45,188.7) ; U3#6.61 U3#6.61 ; U3#6.61 U3#6.61 ; U3#2.49 U3#2.50 ; U3#16.61 133.43,60.32 v1(133.81,60.7) ; U3#16.61 U3#16.61 ; U3#16.61 U3#16.61 ; U3#16.61 132.16,59.3 v1(132.03,59.17) ; v1(73.13,178.79) 72.99,178.65 U3#7.64 72,177.77 v1(71.5,177.27) ; v1(24.78,113.27) 25.28,113.77 U3#4.64 26.27,114.65 v1(26.41,114.79) ; U3#17.61 U3#17.61 ; U3#17.61 U3#17.61 ; U3#17.61 U3#17.61 ; U3#17.61 v1(65,60.7) ; U3#17.61 63.35,60.32 v1(63.73,60.7) ; U3#17.61 U3#17.61 ; U3#17.61 62.08,59.3 v1(61.95,59.17) ; U3#18.58 U3#18.59 ; U3#18.58 14.03,63.56 v1(13.96,63.49) 13.18,64.27 U3#18.59 ; U3#18.58 U3#18.57 ; U3#11.51 90.06,63.92 v1(89.63,63.49) 89.21,63.91 U3#11.52 ; U3#11.51 U3#11.52 ; U3#11.51 U3#11.50 ; U3#14.53 v1(111.72,63.49) ; U3#14.53 U3#14.52 ; U3#3.61 U3#3.61 ; U3#3.61 v1(15.23,185.65) ; U3#3.61 U3#3.61 ; U3#3.61 U3#3.61 ; U3#3.61 16.63,182.98 v1(16.76,182.86) ; U3#3.61 U3#3.61 ; U3#3.61 15.36,184 v1(15.23,183.87) ; U3#17.59 U3#17.60 ; v1(26.41,50.79) 26.27,50.65 U3#18.64 25.28,49.77 v1(24.78,49.27) ; U3#13.61 132.16,184 v1(132.03,183.87) ; U3#13.61 133.43,182.98 v1(133.56,182.86) ; U3#18.61 15.36,59.3 v1(15.23,59.17) ; U3#11.61 U3#11.61 ; U3#11.61 v1(85.31,57.65) ; U3#11.61 U3#11.61 ; U3#11.61 U3#11.61 ; U3#11.61 U3#11.61 ; U3#7.61 U3#7.61 ; U3#7.61 U3#7.61 ; U3#7.61 U3#7.61 ; U3#7.61 U3#7.61 ; U3#7.61 U3#7.61 ; U3#7.61 v1(65,182.86) ; U3#9.61 114.64,123.3 v1(114.77,123.43) ; U3#9.61 113.37,124.57 v1(113.24,124.7) ; U3#9.61 U3#9.61 ; U3#8.54 U3#8.53 ; v1(12.69,190.48) 12.42,190.75 U3#3.2 U3#3.1 ; U3#15.61 v1(91.41,121.65) ; U3#13.56 U3#13.55 ; U3#7.58 U3#7.59 ; U3#7.58 U3#7.57 ; U3#7.58 60.75,191.56 v1(60.68,191.49) 59.9,192.27 U3#7.59 ; U3#7.59 U3#7.60 ; v1(118.22,49.27) 118.72,49.77 U3#14.64 119.71,50.65 v1(119.85,50.79) ; U3#9.61 U3#9.61 ; U3#9.61 U3#9.61 ; U3#9.61 v1(111.72,118.86) ; U3#9.61 U3#9.61 ; U3#9.61 113.37,118.99 113.24,118.86 ; U3#9.61 114.38,120 114.76,120.38 ; U3#11.56 U3#11.57 ; U3#11.56 85.81,63.74 v1(85.57,63.49) 84.96,64.1 U3#11.57 ; U3#16.1 129.13,63.6 ; U3#16.1 U3#16.2 129.22,62.75 v1(129.49,62.48) ; U3#8.61 66.65,124.57 v1(66.52,124.7) ; U3#8.61 67.92,123.3 v1(68.05,123.43) ; U3#18.49 U3#18.50 ; U3#18.49 U3#18.48 ; U3#18.49 21.68,63.9 v1(22.09,63.49) 22.53,63.93 U3#18.48 ; U3#18.50 U3#18.51 ; U3#18.50 20.83,63.5 v1(20.82,63.49) ; U3#16.52 135.93,63.91 v1(136.35,63.49) 136.78,63.92 U3#16.51 ; U3#16.52 U3#16.51 ; U3#16.52 U3#16.53 ; U3#5.48 U3#5.47 U3#5.46 U3#5.65 49.4,128.65 v1(50.02,129.27) ; J1#12.GND 38.41,146.71 38.26,146.87 36.64,146.87 v1(36.05,146.28) ; v1(16.76,54.86) 16.63,54.98 U3#18.61 ; U3#9.61 v1(114.77,121.65) ; U3#6.61 110.07,182.98 v1(110.2,182.86) ; U3#6.61 U3#6.61 ; U3#6.61 U3#6.61 ; U3#6.61 114.64,187.3 v1(114.77,187.43) ; U3#6.61 U3#6.61 ; U3#6.61 113.37,188.57 v1(113.24,188.7) ; U3#17.61 66.65,60.57 v1(66.52,60.7) ; U3#17.61 67.92,59.3 v1(68.05,59.43) ; 113.24,182.86 113.37,182.99 U3#6.61 ; U3#13.53 v1(135.08,191.49) ; U3#13.53 U3#13.52 ; U3#13.53 U3#13.54 ; U3#3.59 U3#3.60 ; U3#3.59 13.18,192.27 v1(13.96,191.49) 14.03,191.56 U3#3.58 ; U3#3.59 U3#3.58 ; U3#3.60 12.33,191.6 ; U3#3.60 U3#3.62 U3#3.1 ; U3.1 U3.2 35.78,190.75 v1(36.05,190.48) ; U3.1 U3.62 U3.60 ; U3#10.49 U3#10.50 ; U3#10.50 90.91,191.5 v1(90.9,191.49) ; 12.33,191.6 U3#3.1 ; 12.33,191.6 v1(12.44,191.49) ; U3#14.61 U3#14.61 ; U3#14.61 108.8,56 v1(108.67,55.87) ; U3#14.61 110.07,54.98 v1(110.2,54.86) ; v1(57.63,49.52) 58,49.89 U3#17.63 57.24,50.65 57.13,50.54 ; U3#16.61 U3#16.61 ; U3#16.61 v1(132.03,57.65) ; U3#16.61 U3#16.61 ; U3#16.61 U3#16.61 ; U3#16.61 U3#16.61 ; U3#3.61 U3#3.61 ; U3#3.61 v1(21.33,185.65) ; U3#3.61 U3#3.61 ; U3#3.61 19.93,182.99 19.8,182.86 ; U3#3.61 20.94,184 21.32,184.38 ; U3#3.61 U3#3.61 ; v1(129.49,190.48) 129.22,190.75 U3#13.2 U3#13.1 ; U3#13.1 U3#13.62 U3#13.60 ; U3#13.1 129.13,191.6 ; 105.77,127.6 U3#9.60 ; 105.77,127.6 v1(105.88,127.49) ; v1(104.35,113.52) 104.72,113.89 U3#9.63 103.96,114.65 103.85,114.54 ; U3#15.53 v1(88.36,127.49) ; U3#8.61 66.65,118.99 66.52,118.86 ; U3#8.61 U3#8.61 ; U3#8.61 67.66,120 68.04,120.38 ; U3#16.50 137.63,63.5 v1(137.62,63.49) ; U3#16.50 U3#16.51 ; U3#15.61 91.28,123.3 v1(91.41,123.43) ; U3#15.61 90.01,124.57 v1(89.88,124.7) ; U3#10.61 91.28,187.3 v1(91.41,187.43) ; U3#10.61 90.01,188.57 v1(89.88,188.7) ; U2.2 47.35,21.46 47.74,21.84 ; U3#6.61 v1(111.72,182.86) ; U3#6.61 U3#6.61 ; U3#6.61 U3#6.61 ; U3#13.49 U3#13.48 ; U3#13.49 138.48,191.9 v1(138.89,191.49) 139.33,191.93 U3#13.48 ; U3#13.48 U3#13.47 U3#13.46 U3#13.65 142.84,192.65 v1(143.46,193.27) ; U1#15.2 40.4,149.46 39.61,150.25 39.61,150.82 39.31,151.11 v1(38.34,151.11) ; U3#5.51 U3#5.52 ; U3#5.51 43.34,127.92 v1(42.91,127.49) 42.49,127.91 U3#5.52 ; v1(129.49,82.28) 130.08,82.87 131.7,82.87 131.85,82.71 131.85,81.94 ; U3#8.51 U3#8.52 ; U3#8.51 U3#8.50 ; U3#8.51 66.7,127.92 v1(66.27,127.49) 65.85,127.91 U3#8.52 ; U3#8.52 U3#8.53 ; U3#7.53 v1(65,191.49) ; U3#7.53 U3#7.54 ; U3#7.53 U3#7.52 ; v1(132.03,187.17) 132.16,187.3 U3#13.61 ; U3#2.61 39.99,54.98 v1(40.12,54.86) ; U3#2.61 38.72,56 v1(38.59,55.87) ; U3#2.61 U3#2.61 ; U3#7.50 U3#7.51 ; U3#7.50 67.55,191.5 v1(67.54,191.49) ; U3#7.51 U3#7.52 ; U3#7.51 66.7,191.92 v1(66.27,191.49) 65.85,191.91 U3#7.52 ; U3#3.56 U3#3.57 ; U3#3.56 U3#3.55 ; U3#3.56 15.73,191.74 v1(15.49,191.49) 14.88,192.1 U3#3.57 ; U3#3.57 U3#3.58 ; 66.52,54.86 66.65,54.99 U3#17.61 ; v1(110.45,124.7) 110.07,124.32 U3#9.61 ; U3#6.61 U3#6.61 ; U3#6.61 v1(114.77,185.65) ; U3#6.61 U3#6.61 ; U3#6.61 U3#6.61 ; U3#6.61 U3#6.61 ; U3#16.58 130.83,63.56 v1(130.76,63.49) 129.98,64.27 U3#16.59 ; U3#16.58 U3#16.59 ; 85.13,81.94 85.13,82.71 84.98,82.87 83.36,82.87 v1(82.77,82.28) ; U3#12.61 U3#12.61 ; U3#12.61 v1(135.08,118.86) ; U3#12.61 U3#12.61 ; U3#12.61 U3#12.61 ; U3#12.61 U3#12.61 ; U3#12.61 136.73,118.99 136.6,118.86 ; v1(131.78,23.11) 132.75,23.11 133.05,22.82 133.05,22.25 133.84,21.46 U1#9.2 ; U3#6.59 U3#6.60 ; U3#6.59 U3#6.58 ; U3#6.59 106.62,192.27 v1(107.4,191.49) 107.47,191.56 U3#6.58 ; U3#6.60 105.77,191.6 ; U3#6.60 U3#6.62 U3#6.1 ; U3.52 U3.53 ; U3.52 U3.51 ; U3.52 42.49,191.91 v1(42.91,191.49) 43.34,191.92 U3.51 ; U3.53 U3.54 ; U3.53 v1(41.64,191.49) ; 94.46,149.84 94.07,149.46 U2#17.2 ; U3#9.52 112.57,127.91 v1(112.99,127.49) 113.42,127.92 U3#9.51 ; U3#9.52 U3#9.51 ; U3#9.52 U3#9.53 ; U3#17.50 U3#17.51 ; U3#17.50 67.55,63.5 v1(67.54,63.49) ; U3#17.51 66.7,63.92 v1(66.27,63.49) 65.85,63.91 U3#17.52 ; U3#17.51 U3#17.52 ; U3#7.55 U3#7.54 ; U3#7.55 63.3,191.92 v1(63.73,191.49) 64.15,191.91 U3#7.54 ; U3#9.50 114.27,127.5 v1(114.26,127.49) ; U3#9.50 U3#9.51 ; U3#9.50 U3#9.49 ; U3#11.61 v1(91.41,57.65) ; U3#11.61 U3#11.61 ; U3#7.61 63.35,188.32 v1(63.73,188.7) ; U3#7.61 62.08,187.3 v1(61.95,187.17) ; U3#7.61 U3#7.61 ; U3#7.61 U3#7.61 ; U3#8.61 v1(61.95,121.65) ; U3#8.61 U3#8.61 ; U3#8.61 U3#8.61 ; U3#6.56 109.17,191.74 v1(108.93,191.49) 108.32,192.1 U3#6.57 ; U3#6.56 U3#6.57 ; 10.41,178.54 10.52,178.65 U3#3.63 